# Altium PCB Fri3D_IRA_00.PcbDoc (part 2 of 2)
Units mm, origin at the board's own origin, x right, y up, seen from the top; angles counter-clockwise.
Board outline 68.5 x 67.5 mm, 2 copper layers (Top Layer, Bottom Layer), stack 1.571 mm thick; 86 components, 65 nets, 315 pads, 59 vias.
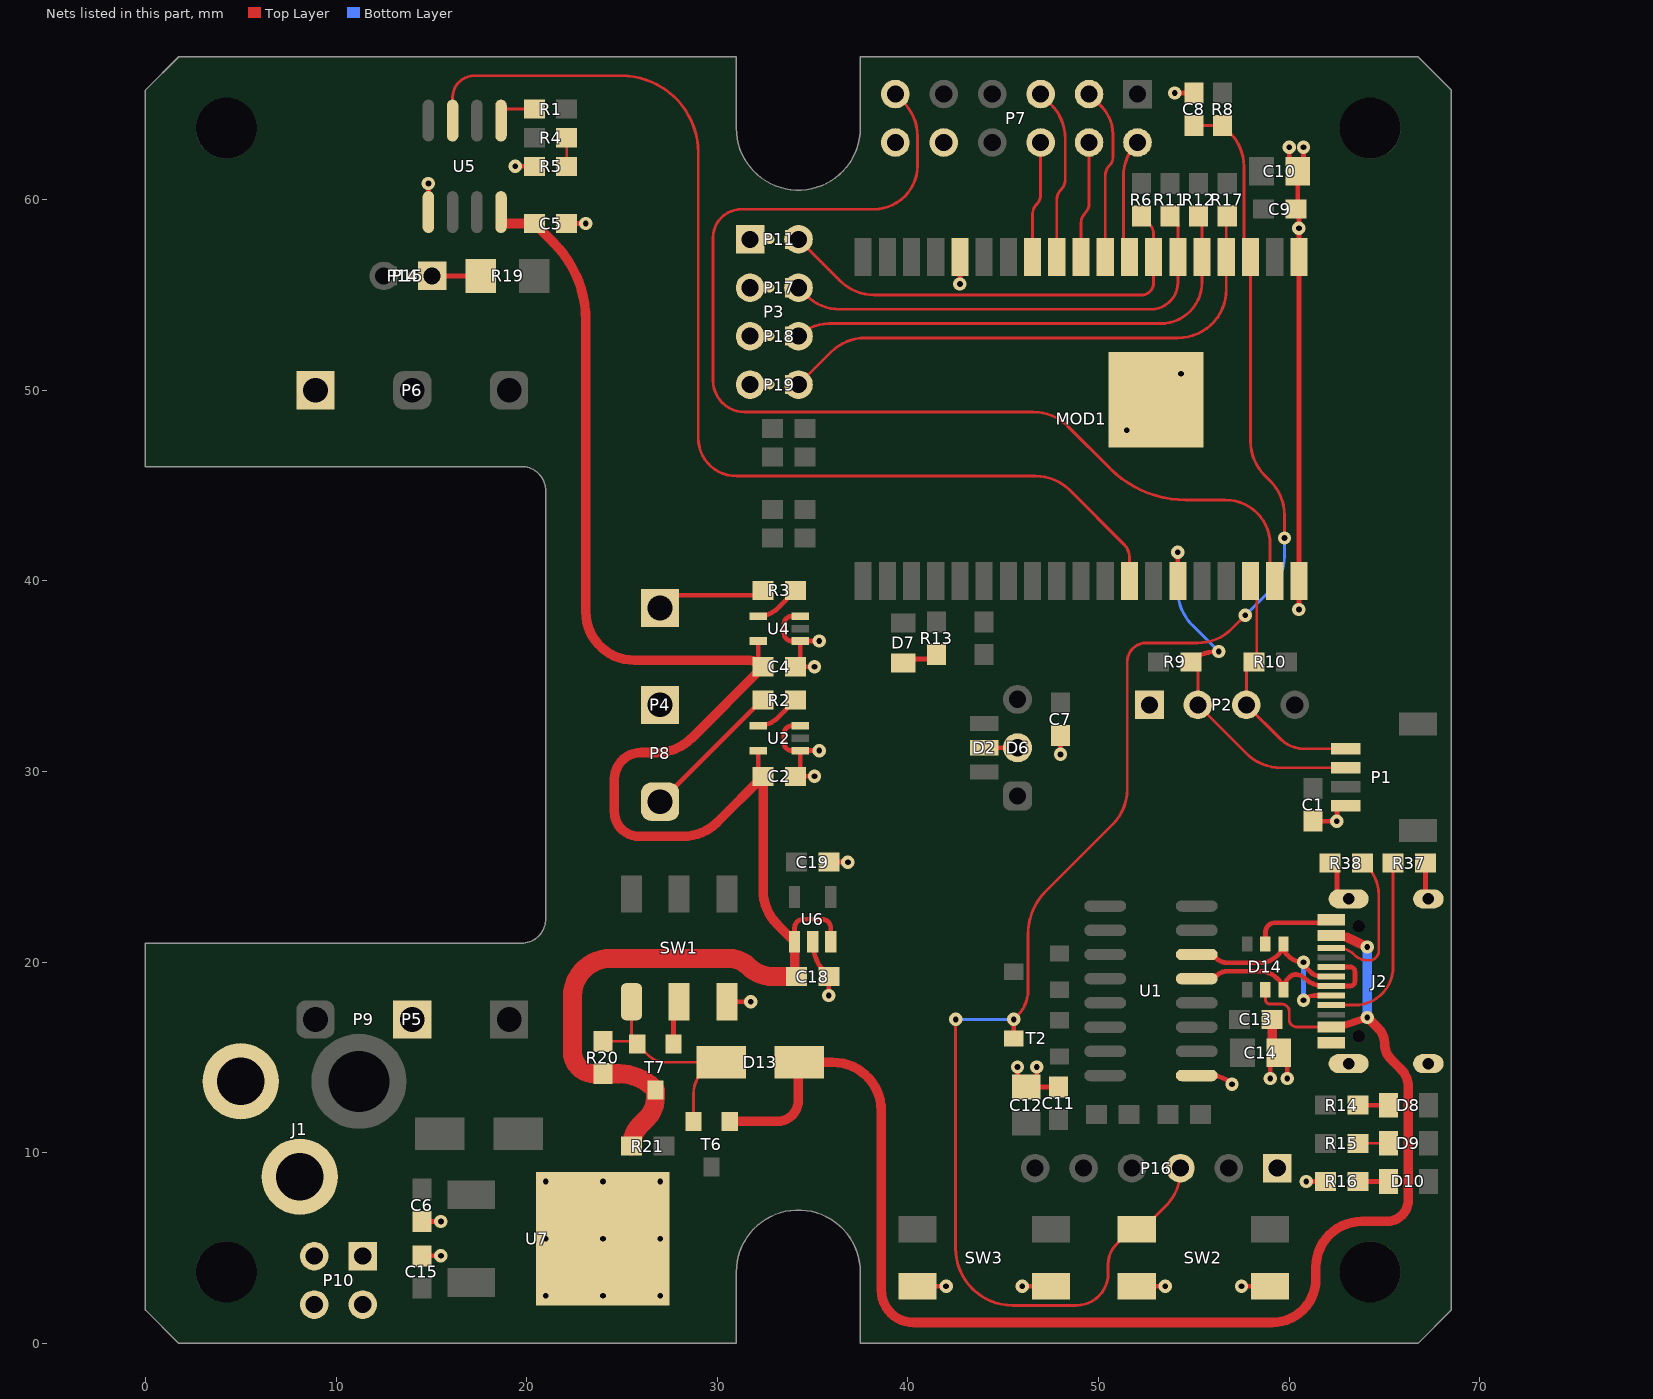
[diagram p2: the nets of this part, all layers, seen from the top]

## Via types
v1: diameter 0.7, hole 0.3, Top Layer to Bottom Layer, tented top, 59 vias

## Nets (pads, with @x,y where several pads share a name; then routed paths per layer and width w, separated by ;. In a path a pad name is that pad's centre, name@x,y a point inside that pad or via, vN(x,y) a via of type N, cw(c..) or ccw(c..) an arc to the next point about the centre after c; other vN are vias at no path point) (continued)
ESP.IO19: MOD1.31 U5.3 | length 58.9
  Top Layer w0.15: U5.3@16.115,64.15 16.115,65.365 cw(c17.25,65.365) 17.25,66.5 24.96,66.5 cw(c24.96,62.46) 29,62.46 29,47.5 ccw(c31,47.5) 31,45.5 45.75,45.5 46.698,45.5 cw(c46.698,42.96) 48.494,44.756 51.348,41.902 cw(c50.696,41.25) 51.618,41.25 MOD1.31@51.618,40
ESP.IO23: MOD1.37 P7.11 | length 59.6
  Top Layer w0.15: P7.11@39.34,65.54 39.756,65.124 cw(c37.96,63.328) 40.5,63.328 40.5,61.79 cw(c38.21,61.79) 38.21,59.5 31.275,59.5 ccw(c31.275,58) 29.775,58 29.775,50.524 ccw(c31.441,50.524) 31.441,48.858 46.59,48.858 cw(c46.59,46.318) 48.386,48.114 50.609,45.891 ccw(c54.571,49.854) 54.571,44.25 56.662,44.25 cw(c56.662,41.912) 59,41.912 59,40.238 MOD1.37@59.238,40
ESP.IO25: MOD1.10 P7.4 | length 6.1
  Top Layer w0.15: MOD1.10@49.078,57 49.078,58.782 cw(c49.793,58.782) 49.288,59.288 ccw(c48.774,59.801) 49.5,59.801 P7.4@49.5,63
ESP.IO26: MOD1.11 P7.5 | length 9.1
  Top Layer w0.15: P7.5@46.96,65.54 47.506,64.994 cw(c45.71,63.198) 48.25,63.198 48.25,61.051 cw(c47.524,61.051) 48.038,60.538 ccw(c48.592,59.983) 47.808,59.983 MOD1.11@47.808,57
ESP.IO27: MOD1.12 P7.6 | length 6.1
  Top Layer w0.15: MOD1.12@46.538,57 46.538,59.256 cw(c47.219,59.256) 46.737,59.737 ; 46.738,59.738 ccw(c46.2,60.275) 46.96,60.275 P7.6@46.96,63
ESP.IO32: MOD1.8 P7.2 | length 6.3
  Top Layer w0.15: MOD1.8@51.618,57 51.298,57.32 51.298,61.208 cw(c53.832,61.208) P7.2@52.04,63
ESP.IO33: MOD1.9 P7.3 | length 9.1
  Top Layer w0.15: P7.3@49.5,65.54 50.138,64.902 cw(c48.662,63.425) 50.75,63.425 50.75,62.222 cw(c50.153,62.222) 50.575,61.8 ccw(c51.123,61.252) 50.348,61.252 MOD1.9@50.348,57
ESP.IO34: MOD1.6 P3.4 P17.2 R11.2 | length 24.7
  Top Layer w0.15: P3.4@34.26,55.38 34.646,54.994 ccw(c36.442,56.79) 36.442,54.25 37.6,54.25 52.75,54.25 ccw(c52.75,55.658) 54.158,55.658 MOD1.6@54.158,57 54.158,58.742 R11.2@53.75,59.15
ESP.IO35: MOD1.7 P3.2 P11.2 R6.2 | length 23.8
  Top Layer w0.15: P3.2@34.26,57.92 36.436,55.744 ccw(c38.232,57.54) 38.231,55 ccw(c38.232,57.54) 38.232,55 40.1,55 52.25,55 ccw(c52.25,55.638) 52.888,55.638 MOD1.7@52.888,57 52.888,58.15 ccw(c52.014,58.15) 52.781,58.569 ccw(c52.014,58.15) 52.632,58.768 R6.2@52.25,59.15
ESP.IO36: MOD1.4 P3.8 P19.2 R17.2 | length 28.7
  Top Layer w0.15: P3.8@34.26,50.3 35.966,52.006 cw(c37.762,50.21) 37.762,52.75 54.158,52.75 ccw(c54.158,55.29) 56.698,55.29 MOD1.4@56.698,57 56.698,59.098 R17.2@56.75,59.15
ESP.IO39: MOD1.5 P3.6 P18.2 R12.2 | length 26.1
  Top Layer w0.15: P3.6@34.26,52.84 cw(c35.853,51.247) 35.853,53.5 40.525,53.5 53.25,53.5 ccw(c53.25,55.678) 55.428,55.678 MOD1.5@55.428,57 55.428,58.972 R12.2@55.25,59.15
ESP.RESET: C8.1 MOD1.3 P16.3 R8.2 SW2.1 T2.3 | length 91
  Top Layer w0.15: v1(42.5,17) 42.5,4.984 ccw(c45.484,4.984) 45.484,2 48.838,2 ccw(c48.838,3.662) 50.5,3.662 50.5,4.158 cw(c51.966,4.158) 50.929,5.194 51.548,5.813 cw(c52,5.361) SW2.1@52,6 52.3,6 53.546,7.246 ccw(c51.75,9.042) 54.29,9.042 P16.3@54.29,9.2 ; v1(45.55,17) 45.756,17.206 ccw(c44.443,18.519) 46.3,18.519 46.3,21.465 cw(c49.523,21.465) 47.244,23.744 50.756,27.256 ccw(c48.96,29.052) 51.5,29.052 51.5,35.75 cw(c52.5,35.75) 52.5,36.75 55.198,36.75 ccw(c55.198,39.29) 57,37.5 v1(57.7,38.2) ; C8.1@55,63.9 R8.2@56.5,63.9 56.881,63.519 cw(c55.085,61.723) 57.5,62.51 cw(c55.085,61.723) 57.625,61.723 57.625,57.828 ccw(c58.796,57.828) 57.75,57.302 ccw(c58.796,57.828) MOD1.3@57.968,57 57.968,47.334 ccw(c60.508,47.334) 58.712,45.538 59.006,45.244 cw(c57.21,43.448) 59.75,43.448 v1(59.75,42.25)
  Top Layer w0.25: T2.3@45.55,16 v1(45.55,17)
  Bottom Layer w0.15: v1(42.5,17) v1(45.55,17) ; v1(57.7,38.2) 59.006,39.506 ccw(c57.21,41.302) 59.75,41.302 v1(59.75,42.25)
GND: C1.2 C2.2 C4.2 C5.2 C6.2 C7.2 C8.2 C9.2 C10.2 C11.2 C12.1 C13.2 C14.1 C15.2 C18.2 C19.2 D2.2 D6.2 D14.2 J1.2 J1.3 J2.A1 J2.A12 J2.B1 J2.B12 J2.MH1 J2.MH2 J2.MH3 J2.MH4 MOD1.1 MOD1.15 MOD1.38 MOD1.39 P1.1 P2.1 P3.1 P3.3 P3.5 P3.7 P4.2 P5.2 P6.1 P7.10 P7.12 P8.1 P9.1 P10.1 P10.2 P10.3 P10.4 P11.1 P16.1 P17.1 P18.1 P19.1 R5.2 R16.2 R37.2 R38.2 SW1.5 SW2.2 SW3.2 U1.1 U2.1 U2.3 U4.1 U4.3 U5.5 U6.2 U7.3 | length 84.3
  Top Layer w0.25: C15.2@14.5,4.6 v1(15.5,4.6) ; C6.2@14.5,6.4 v1(15.5,6.4) ; U5.5@14.845,59.35 v1(14.845,60.85) ; v1(19.4,61.75) R5.2@20.4,61.75 ; C5.2@22.1,58.75 v1(23.1,58.75) ; SW1.5@30.5,17.925 v1(31.75,17.925) ; U2.3@34.35,32.4 33.9,32.4 ccw(c33.9,32) 33.5,32 33.5,31.5 ccw(c33.9,31.5) 33.9,31.1 U2.1@34.35,31.1 ; U4.3@34.35,38.15 33.9,38.15 ccw(c33.9,37.75) 33.5,37.75 33.5,37.25 ccw(c33.9,37.25) 33.9,36.85 U4.1@34.35,36.85 ; U6.2@35,21.075 ccw(c37.354,21.075) 35.69,19.41 C18.2@35.85,19.25 v1(35.85,18.25) ; v1(35.1,29.75) C2.2@34.1,29.75 ccw(c34.1,30) 34.35,30 U2.1@34.35,31.1 ; v1(35.1,35.5) C4.2@34.1,35.5 ccw(c34.1,35.75) 34.35,35.75 U4.1@34.35,36.85 ; v1(35.35,31.1) U2.1@34.35,31.1 ; v1(35.35,36.85) U4.1@34.35,36.85 ; C19.2@35.85,25.25 v1(36.85,25.25) ; SW3.2@40.5,3 v1(42,3) ; v1(42.725,55.575) 42.728,55.578 MOD1.15@42.728,57 ; D2.2@44,31.25 D6.2@45.75,31.25 ; C12.1@45.75,13.5 v1(45.75,14.5) ; v1(46,3) SW3.2@47.5,3 ; C12.1@46.2,13.45 C11.2@47.9,13.45 ; C12.1@46.75,13.5 v1(46.75,14.5) ; v1(48,30.9) C7.2@48,31.9 ; SW2.2@52,3 v1(53.5,3) ; v1(54,65.6) C8.2@55,65.6 ; U1.1@55.15,14.055 55.902,14.055 cw(c55.902,12.502) v1(57,13.6) ; v1(57.5,3) SW2.2@59,3 ; D14.2@58.75,20.95 58.75,21.55 cw(c59.275,21.55) 59.275,22.075 J2.B1@62.203,22.075 ; v1(59,13.9) 59,14.9 59.279,15.179 cw(c59.45,15.009) C14.1@59.45,15.25 cw(c59.45,15.009) 59.621,15.179 59.9,14.9 v1(59.9,13.9) ; v1(60,62.75) C10.2@60,61.75 ; C10.2@60.427,61.573 ccw(c60,61.146) C10.2@60,61.75 ; C10.2@60.427,61.573 60.5,61.5 60.75,61.75 v1(60.75,62.75) ; v1(60.508,38.5) MOD1.38@60.508,40 MOD1.1@60.508,57 v1(60.508,58.5) 60.508,59.118 ccw(c59.968,59.118) C9.2@60.35,59.5 ccw(c60.108,59.742) 60.45,59.742 C10.2@60.45,61.5 60.341,61.609 ccw(c60,61.267) C10.2@60,61.75 ; v1(60.9,8.5) R16.2@61.9,8.5 ; C1.2@61.25,27.4 v1(62.5,27.4) 62.5,28.2 P1.1@62.975,28.2 ; R38.2@62.15,25.2 62.5,25.2 62.5,23.32 J2.MH4@63.118,23.32 ; R37.2@67.15,25.2 67.15,23.676 ccw(c67.653,23.676) J2.MH3@67.298,23.32
  Top Layer w0.5: C13.2@59.1,17 59.1,15.395 C14.1@59.45,15.25
  other v1: 21,2.5 24,2.5 27,2.5 21,5.5 24,5.5 27,5.5 21,8.5 24,8.5 27,8.5 51.475,47.9 54.325,50.875
I2C.SCL: MOD1.36 P1.4 P2.3 R10.2 | length 12.9
  Top Layer w0.15: MOD1.36@57.968,40 57.968,39.82 cw(c56.885,38.737) 58.3,39.323 58.3,36.112 cw(c57.788,36.112) 58.15,35.75 57.75,35.35 P2.3@57.75,33.5 59.555,31.695 ccw(c60.75,32.89) 60.75,31.2 P1.4@62.975,31.2
I2C.SDA: MOD1.33 P1.3 P2.2 R9.2 | length 20.5
  Top Layer w0.15: R9.2@54.85,35.75 55.21,35.39 P2.2@55.21,33.5 57.766,30.944 ccw(c59.562,32.74) 59.562,30.2 P1.3@62.975,30.2
  Top Layer w0.25: MOD1.33@54.158,40 v1(54.158,41.5) ; R9.2@54.85,35.75 cw(c56.178,34.422) 56.178,36.3 v1(56.3,36.3)
  Bottom Layer w0.15: v1(54.158,41.5) 54.158,39.494 ccw(c56.698,39.494) 54.902,37.698 v1(56.3,36.3)
LED.COUT: P4.1 R3.2 | length 6
  Top Layer w0.25: P4.1@27,38.58 27.24,39.25 32.15,39.25 R3.2@32.4,39.5
LED.DOUT: P4.3 P8.2 R2.2 | length 7.6
  Top Layer w0.25: P4.3@27,28.42 32.28,33.7 cw(c32.4,33.581) R2.2@32.4,33.75
NetD7_2: D7.2 R13.1 | length 2
  Top Layer w0.25: D7.2@39.75,35.7 39.95,35.9 41.3,35.9 41.5,36.1 R13.1@41.5,36.15
NetD8_2: D8.2 R14.1 | length 1.6
  Top Layer w0.25: R14.1@63.6,12.5 D8.2@65.2,12.5
NetD9_2: D9.2 R15.1 | length 1.6
  Top Layer w0.15: R15.1@63.6,10.5 D9.2@65.2,10.5
NetD10_2: D10.2 R16.1 | length 1.6
  Top Layer w0.25: R16.1@63.6,8.5 D10.2@65.2,8.5
NetD13_C: D13.C R20.2 SW1.1 T6.2 T7.2 | length 12.2
  Top Layer w0.15: R20.2@24,15.85 T7.2@25.65,15.85 ; SW1.1@25.5,17.925 25.5,16 T7.2@25.65,15.85 ; T6.2@28.75,11.65 28.75,13.07 cw(c30.466,13.07) 29.253,14.283 D13.C@29.719,14.75 ; D13.C@30.2,14.75 D13.C@29.719,14.75 ; T7.2@25.65,15.85 T7.2@25.8,15.7 26.396,15.104 ccw(c27.25,15.957) 27.25,14.75 D13.C@29.719,14.75
NetJ2_A5: J2.A5 R37.1 | length 9.8
  Top Layer w0.15: J2.A5@62.203,17.75 63.446,17.75 ccw(c63.446,19.754) 65.45,19.754 R37.1@65.45,25.2
NetJ2_B5: J2.B5 R38.1 | length 7.8
  Top Layer w0.15: J2.B5@62.202,20.75 62.555,20.75 cw(c62.555,19.555) 63.4,20.4 63.417,20.383 ccw(c64.1,21.066) 64.1,20.1 64.2,20.1 ccw(c64.2,20.6) 64.7,20.6 64.7,23.537 ccw(c62.597,23.537) 63.913,25.178 R38.1@63.85,25.2
NetP14_1: P14.1 P15.1 R19.1 | length 2.6
  Top Layer w0.25: P15.1@15.04,56 R19.1@17.6,56
NetR1_1: R1.1 U5.1 | length 2.3
  Top Layer w0.15: U5.1@18.655,64.15 18.655,64.655 18.75,64.75 R1.1@20.4,64.75
NetR2_1: R2.1 U2.4 | length 2.4
  Top Layer w0.25: U2.4@32.15,32.4 ccw(c32.15,33.849) 33.174,32.824 R2.1@34.1,33.75
NetR3_1: R3.1 U4.4 | length 2.4
  Top Layer w0.25: U4.4@32.15,38.15 ccw(c32.15,39.599) 33.174,38.574 R3.1@34.1,39.5
NetR4_2: R4.2 R5.1 | length 1.5
  Top Layer w0.15: R5.1@22.1,61.75 R4.2@22.1,63.25
PWR.EN: SW1.3 T7.1 | length 2.3
  Top Layer w0.25: T7.1@27.7,15.7 27.7,17.625 SW1.3@28,17.925
USB.D_n: D14.1 J2.A7 J2.B7 U1.6 | length 12
  Top Layer w0.25: U1.6@55.15,20.405 55.693,20.405 cw(c55.693,19.705) 56.188,20.2 ccw(c56.731,20.743) 56.731,19.975 58.487,19.975 ccw(c58.487,21.213) 59.362,20.337 ; 59.363,20.337 59.506,20.481 ccw(c59.036,20.95) D14.1@59.7,20.95 ccw(c60.666,20.95) 59.867,20.406 59.937,20.337 ccw(c60.75,21.149) v1(60.75,20) ccw(c61.112,20) 60.856,19.744 61.1,19.5 ccw(c61.704,20.104) 61.704,19.25 J2.A7@62.203,19.25 ; v1(60.75,18) cw(c61.354,17.396) 61.354,18.25 J2.B7@62.203,18.25
  Bottom Layer w0.25: v1(60.75,18) v1(60.75,20)
USB.D_p: D14.6 J2.A6 J2.B6 U1.5 | length 11.6
  Top Layer w0.25: U1.5@55.15,19.135 55.802,19.135 ccw(c55.802,19.698) 56.2,19.3 cw(c56.743,18.757) 56.743,19.525 58.471,19.525 cw(c58.471,18.247) 59.374,19.151 59.506,19.019 cw(c59.036,18.55) D14.6@59.7,18.55 cw(c60.545,18.55) 59.947,19.147 60.05,19.25 cw(c60.29,19.01) 60.29,19.35 60.374,19.35 cw(c60.374,18.771) 60.784,19.18 ccw(c61.822,20.218) 61.822,18.75 J2.A6@62.203,18.75 63.194,18.75 ccw(c63.194,19.002) 63.446,19.002 63.446,19.5 ccw(c63.196,19.5) 63.196,19.75 J2.B6@62.203,19.75
VSYS: C2.1 C4.1 C5.1 C18.1 R20.1 R21.1 T7.3 U2.5 U4.5 U5.8 U6.1 U6.3 | length 98.3
  Top Layer w0.25: U2.5@32.15,31.1 32.15,30 ccw(c32.4,30) C2.1@32.4,29.75 ; U4.5@32.15,36.85 32.15,35.75 ccw(c32.4,35.75) C4.1@32.159,35.685 ; U6.1@34.05,21.075 34.05,21.8 cw(c34.5,21.8) 34.5,22.25 35.5,22.25 cw(c35.5,21.8) 35.95,21.8 U6.3@35.95,21.075
  Top Layer w0.5: U5.8@18.655,59.35 18.655,58.75 C5.1@20.4,58.75 21.425,57.725 cw(c17.381,53.681) 23.1,53.681 23.1,38.381 ccw(c25.64,38.381) 25.64,35.841 31.577,35.841 cw(c31.577,34.677) 32.159,35.685 cw(c31.577,34.677) C4.1@32.4,35.5 32.393,35.5 28.637,31.744 cw(c26.841,33.54) 26.841,31 26,31 ccw(c26,29.6) 24.6,29.6 24.6,27.9 ccw(c25.9,27.9) 25.9,26.6 28.198,26.6 ccw(c28.198,29.14) 29.994,27.344 C2.1@32.4,29.75 32.4,23.777 ccw(c34.94,23.777) 33.144,21.981 U6.1@34.05,21.075 C18.1@34.05,19.55 ; C18.1@34.05,19.35 C18.1@34.15,19.25
  Top Layer w1: R21.1@25.5,10.35 cw(c27.069,10.35) 25.96,11.46 26.3,11.8 ccw(c25.214,12.886) 26.75,12.886 T7.3@26.75,13.3 26.644,13.406 ccw(c24.848,11.61) 24.848,14.15 R20.1@24,14.15 23.55,14.15 cw(c23.55,15.3) 22.4,15.3 22.4,18.2 cw(c24.4,18.2) 24.4,20.2 30.634,20.2 cw(c30.634,18.834) 31.6,19.8 ccw(c32.928,21.128) 32.928,19.25 C18.1@34.15,19.25
VUSB: D13.A D14.5 J2.A4 J2.A9 J2.B4 J2.B9 T6.1 | length 77.3
  Top Layer w0.15: D14.5@58.75,18.55 58.75,18.05 ccw(c59,18.05) 59,17.8 59.609,17.8 cw(c59.609,17.409) 60,17.409 60,17 ccw(c60.4,17) 60.4,16.6 62.052,16.6 ccw(c62.052,16.75) J2.B9@62.203,16.75
  Top Layer w0.25: J2.B9@62.203,16.75 62.326,16.686 62.549,16.569 J2.A4@62.681,16.5 ; J2.A9@62.203,21.55 62.288,21.523 63,21.3
  Top Layer w0.4: J2.A4@62.549,16.569 v1(64.1,17.1)
  Top Layer w0.5: T6.1@30.65,11.65 33.15,11.65 ccw(c33.15,12.75) 34.25,12.75 34.25,14.7 cw(c34.3,14.7) D13.A@34.3,14.75 36.06,14.75 cw(c36.06,12.21) 38.6,12.21 38.6,2.8 ccw(c40.3,2.8) 40.3,1.1 59.1,1.1 ccw(c59.1,3.4) 61.4,3.4 61.4,4 cw(c63.8,4) 63.8,6.4 65.109,6.4 ccw(c65.109,7.541) 66.25,7.541 66.25,13.416 ccw(c64.84,13.416) 65.837,14.413 65.349,14.901 cw(c66.193,15.744) 65,15.744 ccw(c63.899,15.744) 64.678,16.522 v1(64.1,17.1) ; 63,21.3 63,21.321 v1(64.1,20.8)
  Bottom Layer w0.5: v1(64.1,17.1) v1(64.1,20.8)
pads on no net: D14.3 D14.4 J2.0 J2.A8 J2.B8 MOD1.32 P1.Z1 P1.Z2 P16.2 SW1.2 SW1.4 SW1.6 SW2.3 SW3.3 U1.7 U1.8 U1.9 U1.10 U1.11 U1.12 U1.15 U6.4

## Polygon pours and split planes (outlines as drawn)
GND on Bottom Layer "B_GND" (solid, remove dead copper, pour order 0): 0,67.5 68.5,67.5 68.5,0 0,0

## Keep-outs
Keep-Out Layer:
  region: 61.65,36.5 61.65,35.94 ccw(c64.19,35.94) 64.19,33.4 68.5,33.4 68.5,36.5
  region: 61.65,39.5 61.65,67.5 68.5,67.5 68.5,36.5 61.65,36.5
  text ".Layer_Name" at 236.902,-46.311 h3.5

## Other copper
Top Layer:
  region net DMX.A: 12.815,55 12.705,55 cw(c12.705,55.995) 11.71,55.995 cw(c12.715,55.995) 12.715,57 12.815,57 cw(c12.815,56.63) 13.185,56.63 13.185,55.845
  region net NetP14_1: 14.6,55 15.375,55 ccw(c15.375,55.545) 15.92,55.545 15.92,56 14,56
  region net NetP14_1: 14.6,57.01 15.375,57 cw(c15.375,56.455) 15.92,56.455 15.92,56 14,56
  region net ESP.IO36: 33.945,51.3 34.055,51.3 cw(c34.055,50.305) 35.05,50.305 cw(c34.045,50.305) 34.045,49.3 33.945,49.3 cw(c33.945,49.67) 33.575,49.67 33.575,50.455
  region net ESP.IO39: 33.945,53.84 34.055,53.84 cw(c34.055,52.845) 35.05,52.845 cw(c34.045,52.845) 34.045,51.84 33.945,51.84 cw(c33.945,52.21) 33.575,52.21 33.575,52.995
  region net ESP.IO34: 33.945,56.38 34.055,56.38 cw(c34.055,55.385) 35.05,55.385 cw(c34.045,55.385) 34.045,54.38 33.945,54.38 cw(c33.945,54.75) 33.575,54.75 33.575,55.535
  region net ESP.IO35: 33.945,58.92 34.055,58.92 cw(c34.055,57.925) 35.05,57.925 cw(c34.045,57.925) 34.045,56.92 33.945,56.92 cw(c33.945,57.29) 33.575,57.29 33.575,58.075
  region net GND: 32.145,51.3 31.37,51.3 ccw(c31.37,50.755) 30.825,50.755 30.825,50.3 32.745,50.3
  region net GND: 32.145,49.29 31.37,49.3 cw(c31.37,49.845) 30.825,49.845 30.825,50.3 32.745,50.3
  region net GND: 32.145,53.84 31.37,53.84 ccw(c31.37,53.295) 30.825,53.295 30.825,52.84 32.745,52.84
  region net GND: 32.145,51.83 31.37,51.84 cw(c31.37,52.385) 30.825,52.385 30.825,52.84 32.745,52.84
  region net GND: 32.145,56.38 31.37,56.38 ccw(c31.37,55.835) 30.825,55.835 30.825,55.38 32.745,55.38
  region net GND: 32.145,54.37 31.37,54.38 cw(c31.37,54.925) 30.825,54.925 30.825,55.38 32.745,55.38
  region net GND: 32.145,56.91 31.37,56.92 cw(c31.37,57.465) 30.825,57.465 30.825,57.92 32.745,57.92
  region net GND: 32.145,58.92 31.37,58.92 ccw(c31.37,58.375) 30.825,58.375 30.825,57.92 32.745,57.92
  region net GND: 61.45,21.9 61.45,22.334 cw(c62.816,22.334) 61.85,23.3 62.209,23.659 cw(c62.55,23.317) 62.55,23.8 63.65,23.8 cw(c63.65,23.3) 64.15,23.3 cw(c63.65,23.3) 63.65,22.8 63.35,22.8 ccw(c63.35,22.4) 62.95,22.4 62.95,21.9
  region net GND: 61.45,16.1 61.45,15.666 ccw(c62.816,15.666) 61.85,14.7 62.209,14.341 ccw(c62.55,14.683) 62.55,14.2 63.65,14.2 ccw(c63.65,14.7) 64.15,14.7 ccw(c63.65,14.7) 63.65,15.2 63.35,15.2 cw(c63.35,15.6) 62.95,15.6 62.95,16.1
  region net VUSB: 63.15,21.7 63.45,21.321 63.45,21.1 60.85,21.1 60.85,21.7
  region net VUSB: 63.424,16.9 63.424,16.645 63.15,16.3 61.05,16.3 60.95,16.4 60.95,16.8 61.05,16.9
  text ".Layer_Name" at 236.902,-46.311 h3.5
Bottom Layer:
  region net 3V3_ESP: 58.992,63.3 cw(c58.992,62.842) 59.45,62.842 cw(c58.383,62.842) 59.137,62.087 59.05,62 ccw(c59.774,61.276) 58.75,61.276 58.75,61 58.55,61 cw(c58.791,61.241) 58.45,61.241 58.45,63.3
  region net 3V3_ESP: 58.158,63.3 ccw(c58.158,62.842) 57.7,62.842 ccw(c58.767,62.842) 58.013,62.087 58.1,62 cw(c57.376,61.276) 58.4,61.276 58.4,61 58.6,61 ccw(c58.359,61.241) 58.7,61.241 58.7,63.3
  region: 2137 vertices and 5 holes, not listed, extent 24.276,12.329 27.151,22.726
  region: 3.943,48.251 3.943,48.268 3.926,48.268 3.925,48.233 3.943,48.233 3.96,48.233 3.96,48.25
  region: 570 vertices and 0 holes, not listed, extent 1.568,48.117 4.437,49.211
  region: 380 vertices and 0 holes, not listed, extent 3.978,48.25 5.437,50.313
  region: 638 vertices and 0 holes, not listed, extent 1.453,48.814 3.837,52.098
  region: 460 vertices and 0 holes, not listed, extent 3.492,50.22 5.494,52.023
  text ".Layer_Name" at 236.902,-46.311 h3.5

## Silkscreen, mask and mechanical layers (free items; w line width, h text height)
Top Overlay:
  drawing of 10 lines, arcs and shapes, not listed
  text "IO35" at 21.72,57.135 h2.5
  text "IO34" at 21.72,54.595 h2.5
  text "GND" at 9.932,54.05 h2 r270
  text "A" at 15.012,54.05 h2 r270
  text "B" at 20.092,54.05 h2 r270
  text "IO39" at 21.72,52.055 h2.5
  text "IO36" at 21.72,49.515 h2.5
  text "U0" at 21.15,46.465 h2.5
  text "DMX" at 22.7,44.465 h3
  text "IO4" at 21.665,42.63 h2.5 r270
  text "U2" at 21.15,42.215 h2.5
  text "GND" at 21.665,37.55 h2.5 r270
  text "IO2" at 21.665,32.47 h2.5 r270
  text "GND" at 51.885,31.75 h2.5 r270
  text "SDA" at 54.425,31.75 h2.5 r270
  text "SCL" at 56.965,31.75 h2.5 r270
  text "+3V3" at 59.005,31.75 h2.5 r270
  text "GND" at 14.965,21.05 h2 r270
  text "+12V" at 20.092,21.05 h2 r270
  text "+5V" at 6.45,20.695 h2 r270
  text ".Layer_Name" at 236.902,-46.311 h3.5
Bottom Overlay:
  drawing of 123 lines, arcs and shapes, not listed
  text "RS-485" at 24.014,57.05 h3 r270
  text "Rx = IO17 / Tx = IO16 / REn = IO18 / TE = IO19" at 18.699,56.4 h2 r270
  text "GND" at 41.095,53.9 h2 r270
  text "IO12" at 43.635,53.9 h2 r270
  text "IO27" at 46.175,53.9 h2 r270
  text "IO25" at 48.715,53.9 h2 r270
  text "IO32" at 51.255,53.9 h2 r270
  text "TERM" at 16.16,53.841 h2 r270
  text "IO23" at 39.825,53.265 h2 r270
  text "IO13" at 42.365,53.265 h2 r270
  text "IO14" at 44.905,53.265 h2 r270
  text "IO26" at 47.445,53.265 h2 r270
  text "IO33" at 49.985,53.265 h2 r270
  text "+3V3" at 52.525,53.265 h2 r270
  text "A" at 13.215,51.27 h2 r270
  text "B" at 18.295,51.27 h2 r270
  text "- -  GND  - -" at 29.06,49.925 h2 r270
  text "IO36-39-34-35" at 35.38,48.803 h2 r270
  text "DMX" at 15.755,47.46 h3 r270
  text "GND" at 10.04,45.95 h2 r270
  text "ID :" at 66.225,39.15 h2.8 r270
  text "IO4" at 27.993,34.53 h2 r270
  text "+3V3" at 43.06,29.74 h2 r270
  text "GND" at 27.993,29.45 h2 r270
  text "IR" at 41.155,27.2 h3 r270
  text "GND" at 46.743,27.2 h2 r270
  text "LED PIXELS" at 23.195,26.67 h3 r270
  text "I²C" at 49.922,24.9 h3 r270
  text "IO5" at 43.06,24.66 h2 r270
  text "IO2" at 27.993,24.37 h2 r270
  text "GND" at 51.885,23.892 h2 r270
  text "SDA" at 54.425,23.892 h2 r270
  text "SCL" at 56.965,23.892 h2 r270
  text "+3V3" at 59.505,23.892 h2 r270
  text ".PCB_TITLE Rev. .PCB_Rev" at 32.025,16.375 h3 r270
  text "Wim" at 1.15,16.025 h2 r261
  text "GND" at 11.28,14.238 h2 r270
  text "+5V" at 6.2,13.095 h2 r270
  text "PWR" at 15.725,13.095 h3 r270
  text "+12V" at 20.17,13.095 h2 r270
  text "IO0" at 45.885,10.346 h2 r270
  text "TXD" at 48.425,10.346 h2 r270
  text "RXD" at 50.965,10.346 h2 r270
  text "RSTn" at 53.505,10.346 h2 r270
  text "X" at 56.045,10.346 h2 r270
  text "GND" at 58.585,10.346 h2 r270
  text "PROG" at 60.895,5.854 h3 r270
  text "GND" at 12.393,1.786 h2 r270
  text ".Layer_Name" at 236.902,-46.311 h3.5
Top Paste:
  text ".Layer_Name" at 236.902,-46.311 h3.5
Bottom Paste:
  text ".Layer_Name" at 236.902,-46.311 h3.5
Top Solder:
  text ".Layer_Name" at 236.902,-46.311 h3.5
Bottom Solder:
  text ".Layer_Name" at 236.902,-46.311 h3.5
Drill Guide:
  text ".Layer_Name" at 236.902,-46.311 h3.5
3D Symbols:
  text ".Layer_Name" at 236.902,-46.311 h3.5
Route Tool Path:
  lines w0.1: 68.5,65.75 68.5,1.75 66.75,0 37.5,0 37.5,3.75 ccw(c34.25,3.75) 31,3.75 31,0 1.75,0 0,1.75 0,21 19.73,21 ccw(c19.73,22.27) 21,22.27 21,44.73 ccw(c19.73,44.73) 19.73,46 0,46 0,65.75 1.75,67.5 31,67.5 31,63.75 ccw(c34.25,63.75) 37.5,63.75 37.5,67.5 66.75,67.5 68.5,65.75 ; 68.5,65.75 68.5,65.75
  lines w0.15: 68.5,1.75 78.5,1.75 78.5,65.75 68.5,65.75
Comments:
  text ".Layer_Name" at 236.902,-46.311 h3.5
Fabrication:
  lines w0.25: 67.5,72.5 68.5,71.5 ; 68.5,92.25 68.5,71.5 ; 69.5,72.5 68.5,71.5
  text "V-CUT" at 67.5,100.25 h1.52 r270
  text "1.6mm Thickness" at -59,-23.5 h1.5
  text ".Layer_Name" at 236.902,-46.311 h3.5
Top Placebound:
  text ".Layer_Name" at 236.902,-46.311 h3.5
Bottom Placebound:
  text ".Layer_Name" at 236.902,-46.311 h3.5
Stencil:
  region: 103,8.5 ccw(c105.5,8.5) 105.5,6 ccw(c105.5,8.5) 108,8.5 ccw(c105.5,8.5) 105.5,11 ccw(c105.5,8.5)
  region: 103,57.5 ccw(c105.5,57.5) 105.5,55 ccw(c105.5,57.5) 108,57.5 ccw(c105.5,57.5) 105.5,60 ccw(c105.5,57.5)
  lines w0.15: -28.5,-24.5 -28.5,85.5 124.5,85.5 124.5,-24.5 -28.5,-24.5
Frame:
  drawing of 15 lines, arcs and shapes, not listed
  text "Document" at 232.402,-31.311 h2
  text ".PCB_TITLE" at 233.902,-36.811 h3.2
  text "Layer Name" at 232.402,-41.311 h2
  text "Date" at 232.402,-51.311 h2
  text "Rev" at 272.402,-51.311 h2
  text ".Print_Date" at 235.402,-56.811 h3.5
  text ".PCB_REV" at 276.902,-56.811 h4
  text "Desginer" at 182.402,-61.311 h2
  text "Document" at 232.402,-61.311 h2
  text ".Pcb_File_Name_No_Path" at 233.902,-66.311 h1.5
  text ".PCB_ENGINEER" at 186.902,-66.811 h4
Top Assembly:
  text ".Layer_Name" at 236.902,-46.311 h3.5
Bottom Assembly:
  text ".Layer_Name" at 236.902,-46.311 h3.5
Drill Drawing:
  circle w0.15: c91.59,169.444 r0.267
  circle w0.15: c91.59,169.444 r0.444
  circle w0.15: c91.59,165.444 r0.444
  lines w0.15: 90.343,162.4 225.326,162.4 ; 90.343,182.4 225.326,182.4 ; 97.741,160.4 97.741,184.4 ; 105.639,160.4 105.639,184.4 ; 121.268,160.4 121.268,184.4 ; 128.066,160.4 128.066,184.4 ; 137.904,160.4 137.904,184.4 ; 157.931,160.4 157.931,184.4 ; 165.849,160.4 165.849,184.4 ; 175.846,160.4 175.846,184.4 ; 191.742,160.4 191.742,184.4 ; 206.571,160.4 206.571,184.4 ; 90.343,160.4 225.326,160.4 225.326,184.4 90.343,184.4 90.343,160.4 ; 91.146,163 92.034,163 92.034,163.889 91.146,163.889 91.146,163 ; 91.146,167.889 92.034,167.889 91.59,167 91.146,167.889 ; 91.146,171 92.034,171 92.034,171.889 91.146,171.889 91.146,171 ; 91.146,173 91.59,173.222 92.034,173 91.812,173.444 92.034,173.889 91.59,173.667 91.146,173.889 91.368,173.444 91.146,173 ; 91.146,175.222 91.368,175.222 91.368,175 91.812,175 91.812,175.222 92.034,175.222 92.034,175.667 91.812,175.667 91.812,175.889 91.368,175.889 91.368,175.667 91.146,175.667 91.146,175.222 ; 91.146,177.444 91.59,177 92.034,177.444 91.59,177.889 91.146,177.444 ; 91.146,179 91.146,179.222 91.368,179.444 91.146,179.667 91.146,179.889 91.368,179.889 91.59,179.667 91.812,179.889 92.034,179.889 92.034,179.667 91.812,179.444 92.034,179.222 92.034,179 91.812,179 91.59,179.222 91.368,179 91.146,179 ; 91.146,181.222 91.368,181.222 91.59,181 91.812,181.222 92.034,181.222 91.812,181.444 92.034,181.667 91.812,181.667 91.59,181.889 91.368,181.667 91.146,181.667 91.368,181.444 91.146,181.222 ; 91.323,171.178 91.857,171.178 91.857,171.711 91.323,171.711 91.323,171.178
  text "Symbol" at 91.543,183 h0.96
  text "Count" at 98.341,183 h0.96
  text "Hole Size" at 106.239,183 h0.96
  text "Plated" at 121.868,183 h0.96
  text "Hole Type" at 128.666,183 h0.96
  text "Drill Layer Pair" at 138.504,183 h0.96
  text "Via/Pad" at 158.531,183 h0.96
  text "Pad Shape" at 166.449,183 h0.96
  text "Template" at 176.446,183 h0.96
  text "Hole Length" at 192.342,183 h0.96
  text "Routed Path Length" at 207.171,183 h0.96
  text "1" at 98.341,181 h0.8
  text "3,200mm (125,98mil)" at 106.239,181 h0.8
  text "PTH" at 121.868,181 h0.8
  text "Round" at 128.666,181 h0.8
  text "Top Layer - Bottom Layer" at 138.504,181 h0.8
  text "Pad" at 158.531,181 h0.8
  text "Rounded" at 166.449,181 h0.8
  text "c500h320" at 176.446,181 h0.8
  text "-" at 192.342,181 h0.8
  text "-" at 207.171,181 h0.8
  text "2" at 98.341,179 h0.8
  text "0,600mm (23,62mil)" at 106.239,179 h0.8
  text "PTH" at 121.868,179 h0.8
  text "Slot" at 128.666,179 h0.8
  text "Top Layer - Bottom Layer" at 138.504,179 h0.8
  text "Pad" at 158.531,179 h0.8
  text "Rounded" at 166.449,179 h0.8
  text "r100_160h60_120r100" at 176.446,179 h0.8
  text "1,200mm (47,24mil)" at 192.342,179 h0.8
  text "0,600mm (23,62mil)" at 207.171,179 h0.8
  text "2" at 98.341,177 h0.8
  text "0,600mm (23,62mil)" at 106.239,177 h0.8
  text "PTH" at 121.868,177 h0.8
  text "Slot" at 128.666,177 h0.8
  text "Top Layer - Bottom Layer" at 138.504,177 h0.8
  text "Pad" at 158.531,177 h0.8
  text "Rounded" at 166.449,177 h0.8
  text "r100_210h60_170r100" at 176.446,177 h0.8
  text "1,700mm (66,93mil)" at 192.342,177 h0.8
  text "1,100mm (43,31mil)" at 207.171,177 h0.8
  text "2" at 98.341,175 h0.8
  text "0,650mm (25,59mil)" at 106.239,175 h0.8
  text "NPTH" at 121.868,175 h0.8
  text "Round" at 128.666,175 h0.8
  text "Top Layer - Bottom Layer" at 138.504,175 h0.8
  text "Pad" at 158.531,175 h0.8
  text "Rounded" at 166.449,175 h0.8
  text "c65hn65" at 176.446,175 h0.8
  text "-" at 192.342,175 h0.8
  text "-" at 207.171,175 h0.8
  text "2" at 98.341,173 h0.8
  text "2,500mm (98,43mil)" at 106.239,173 h0.8
  text "PTH" at 121.868,173 h0.8
  text "Round" at 128.666,173 h0.8
  text "Top Layer - Bottom Layer" at 138.504,173 h0.8
  text "Pad" at 158.531,173 h0.8
  text "Rounded" at 166.449,173 h0.8
  text "c400h250" at 176.446,173 h0.8
  text "-" at 192.342,173 h0.8
  text "-" at 207.171,173 h0.8
  text "2" at 98.341,171 h0.8
  text "3,000mm (118,11mil)" at 106.239,171 h0.8
  text "NPTH" at 121.868,171 h0.8
  text "Round" at 128.666,171 h0.8
  text "Top Layer - Bottom Layer" at 138.504,171 h0.8
  text "Pad" at 158.531,171 h0.8
  text "Rounded" at 166.449,171 h0.8
  text "c0hn300m320" at 176.446,171 h0.8
  text "-" at 192.342,171 h0.8
  text "-" at 207.171,171 h0.8
  text "4" at 98.341,169 h0.8
  text "3,200mm (125,98mil)" at 106.239,169 h0.8
  text "NPTH" at 121.868,169 h0.8
  text "Round" at 128.666,169 h0.8
  text "Top Layer - Bottom Layer" at 138.504,169 h0.8
  text "Pad" at 158.531,169 h0.8
  text "Rounded" at 166.449,169 h0.8
  text "c320hn320m470" at 176.446,169 h0.8
  text "-" at 192.342,169 h0.8
  text "-" at 207.171,169 h0.8
  text "13" at 98.341,167 h0.8
  text "1,300mm (51,18mil)" at 106.239,167 h0.8
  text "PTH" at 121.868,167 h0.8
  text "Round" at 128.666,167 h0.8
  text "Top Layer - Bottom Layer" at 138.504,167 h0.8
  text "Pad" at 158.531,167 h0.8
  text "(Mixed)" at 166.449,167 h0.8
  text "(Mixed)" at 176.446,167 h0.8
  text "-" at 192.342,167 h0.8
  text "-" at 207.171,167 h0.8
  text "39" at 98.341,165 h0.8
  text "0,900mm (35,43mil)" at 106.239,165 h0.8
  text "PTH" at 121.868,165 h0.8
  text "Round" at 128.666,165 h0.8
  text "Top Layer - Bottom Layer" at 138.504,165 h0.8
  text "Pad" at 158.531,165 h0.8
  text "(Mixed)" at 166.449,165 h0.8
  text "(Mixed)" at 176.446,165 h0.8
  text "-" at 192.342,165 h0.8
  text "-" at 207.171,165 h0.8
  text "59" at 98.341,163 h0.8
  text "0,300mm (11,81mil)" at 106.239,163 h0.8
  text "PTH" at 121.868,163 h0.8
  text "Round" at 128.666,163 h0.8
  text "Top Layer - Bottom Layer" at 138.504,163 h0.8
  text "Via" at 158.531,163 h0.8
  text "Rounded" at 166.449,163 h0.8
  text "v70h30m0mx60" at 176.446,163 h0.8
  text "-" at 192.342,163 h0.8
  text "-" at 207.171,163 h0.8
  text "126 Total" at 98.341,161 h0.8
  text "Slot definitions :" at 91.543,159.034 h0.8
  text "Routed Path Length" at 105.359,159.034 h0.8
  text "= Calculated from tool start centre position to tool end centre position." at 120.108,159.034 h0.8
  text "Hole Length" at 105.359,157.667 h0.8
  text "= Routed Path Length + Tool Size = Slot length as defined in the PCB layout" at 114.643,157.667 h0.8
  text ".Layer_Name" at 236.902,-46.311 h3.5
Panel:
  text ".Layer_Name" at 236.902,-46.311 h3.5

## Dimensions
78.5,-24.5 to 68.5,67.5 on Fabrication
0,1.75 to 68.5,1.75 on Fabrication
1.75,67.5 to 1.75,0 on Fabrication

## Text inside footprints (layer, text, board x,y; h text height)
J2: Comments "PCB Edge" at 69.25,16.7 h0.61 r90
P4: Comments "IN" at 24.5,36.64 h0.8 r270
P5: Comments "IN" at 17.14,19.5 h0.8 r180
P6: Comments "IN" at 10.86,47.5 h0.8
P8: Comments "IN" at 24.5,31.56 h0.8 r270
P9: Comments "IN" at 12.06,19.5 h0.8 r180